# Altium PCB Team29TH.PcbDoc
Units mm, origin at the board's own origin, x right, y up, seen from the top; angles counter-clockwise.
Board outline 82.04 x 84.58 mm, 2 copper layers (Top Layer, Bottom Layer); 59 components, 42 nets, 209 pads, 0 vias.
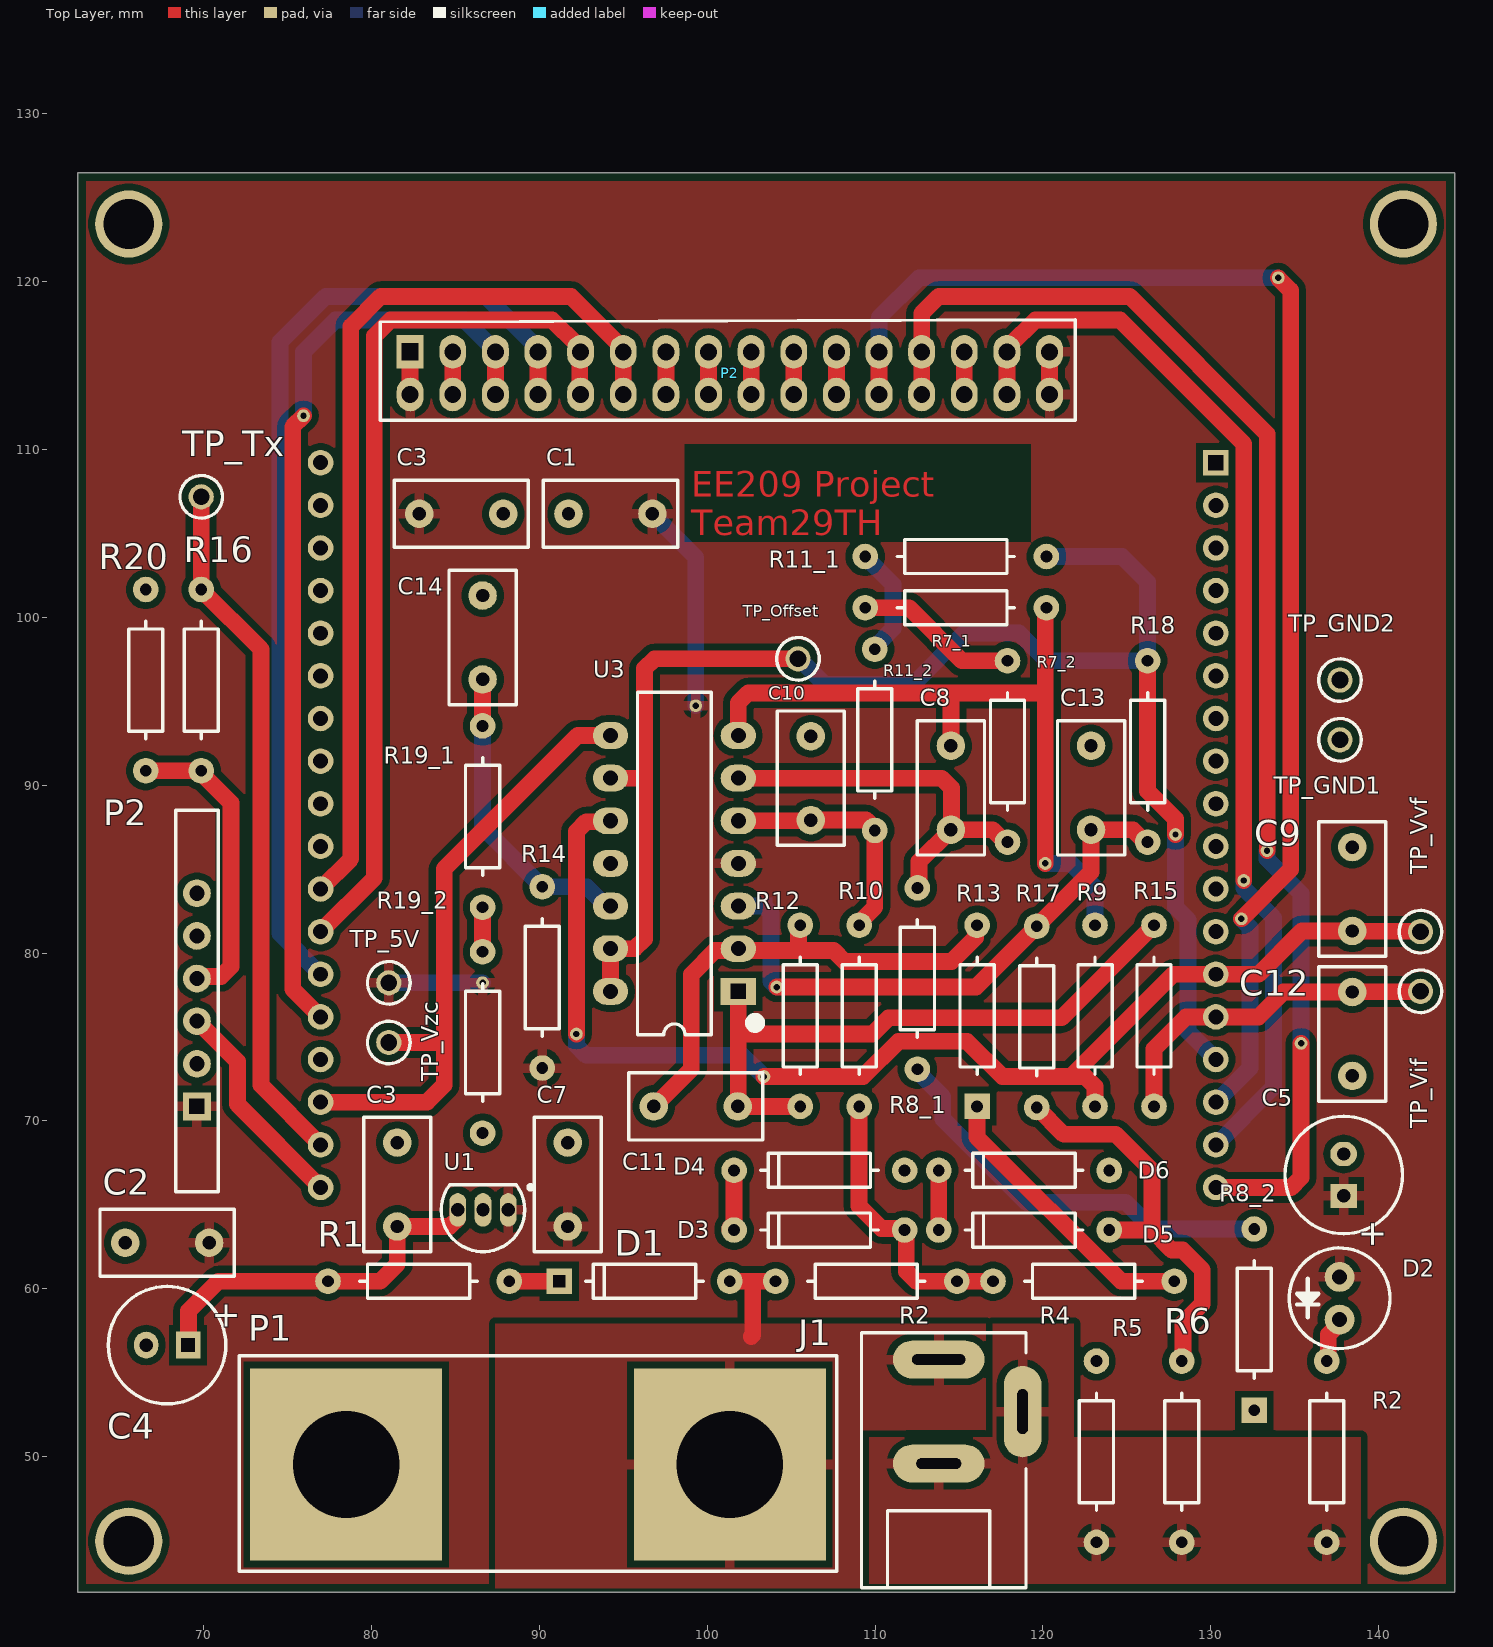
[diagram p0: Top Layer view]
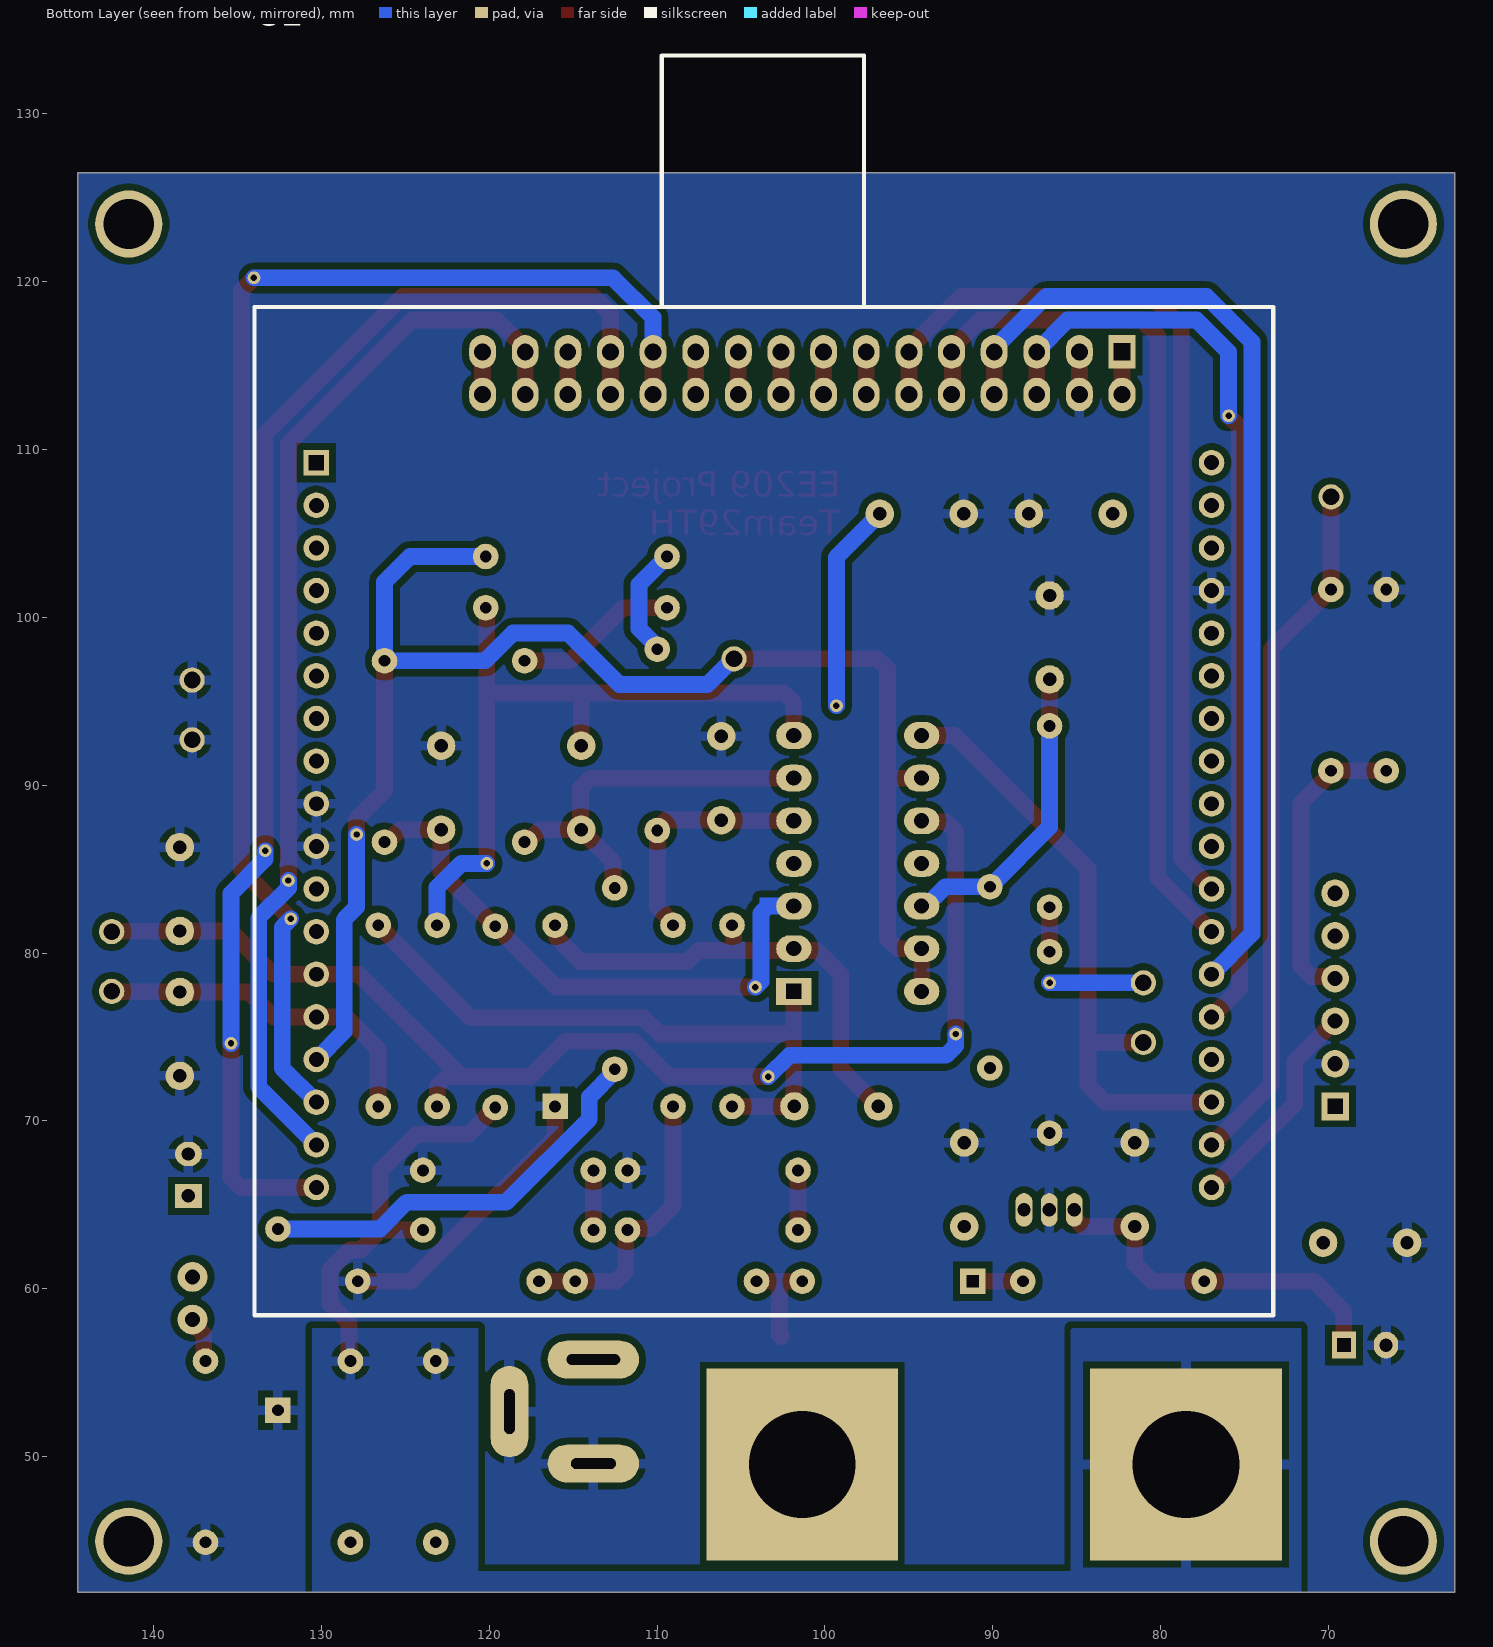
[diagram p1: Bottom Layer view, seen from below]

## Layer stack, top to bottom
Top Solder: solder mask 0.0102, Solder Resist, Dk 3.5
Top Layer: signal copper 0.0356
Dielectric 1: dielectric 0.32, FR-4, Dk 4.8
Bottom Layer: signal copper 0.0356
Bottom Solder: solder mask 0.0102, Solder Resist, Dk 3.5

## Board outline
62.484,41.91 144.526,41.91 144.526,126.492 62.484,126.492

## Design rules (kind name [scope] priority, off if disabled: settings)
BoardOutlineClearance [All] p1: gap=0.5 ignorepadtopadclearanceinfootprint=FALSE
Clearance [All] p1: gap=0.4 ignorepadtopadclearanceinfootprint=FALSE
Height [All] p1: minheight=0 maxheight=50 prefheight=12.7
HoleSize [All] p1: absolutevalues=TRUE maxlimit=6 minlimit=0.5 maxpercent=80.000 minpercent=20.000
MinimumAnnularRing [All] p1: minimumring=0.076
MinimumSolderMaskSliver [All] p1: minsoldermaskwidth=0.1
PlaneConnect [All] p1: planeconnectstyle=Relief reliefexpansion=0.6 reliefentries=4 reliefconductorwidth=0.6 reliefairgap=0.4
PolygonConnect PolygonConnect_1 [All] p1: connectstyle=Relief reliefconductorwidth=0.6 reliefentries=4 polygonreliefangle="90 Angle" airgapwidth=0.4
RoutingCorners [All] p1: cornerstyle=Round minsetback=2.54 maxsetback=2.54
RoutingVias [All] p1: holewidth=0.6 width=1 viastyle="Through Hole" minholewidth=0.5 minwidth=0.8 maxholewidth=1 maxwidth=2
SilkToSilkClearance [All] p1: silktosilkclearance=0.1
SilkToSolderMaskClearance [IsPad] p1: minsilkscreentomaskgap=0.1 clearancetoexposedcopper=TRUE
SolderMaskExpansion [All] p1: expansion=0.102 istentingtop=FALSE
Width [All] p1: maxlimit=10 minlimit=0.4 preferedwidth=0.6
23 further rules are at their usual default settings.

## Classes and differential pairs
component class EE209_Schematic: C1 C2 C5 C6 C7 C8 C9 C10 C11 C12 C13 D1 D2 D3 D4 D5 D6 J1 P1 P3 R1 R3 R4 R5 R6 R7 R7_2 R8 R9 R10 R11 R11_1 R12 R13 R14 R15 R16_2 R17 R18 R19 R20 TP_5V TP_GND2 TP_Offset TP_Tx TP_Vif TP_Vvf TP_Vzc U1 U2 U3

## Components (designator, comment, footprint, x,y, rotation, side; value= is the part's Value field where it differs from the comment)
C1 "*" CCAP-5P0 94.234,106.172 r180 top (schematic designator C7)
C2 "*" CCAP-5P0 67.818,62.738 r180 top (schematic designator C6)
C3 "*" CCAP-5P0 85.344,106.172 r0 top (schematic designator C5)
C3 "*" CCAP-5P0 81.534,66.214 r90 top
C4 "*" "CAP-RAD-2.5mm Pitch"#1 67.818,56.642 r180 top (schematic designator C1)
C5 "*" "CAP-RAD-2.5mm Pitch"#2 137.922,66.782 r90 top (schematic designator C2)
C7 "*" CCAP-5P0 91.694,66.214 r90 top (schematic designator C4)
C8 "*" CCAP-5P0 114.519,89.85 r270 top
C9 "*" CCAP-5P0 138.43,83.82 r90 top
C10 "*" CCAP-5P0 106.172,90.424 r90 top
C11 "*" CCAP-5P0 99.314,70.866 r180 top
C12 "*" CCAP-5P0 138.43,75.184 r270 top
C13 "*" CCAP-5P0 122.867,89.85 r90 top (schematic designator C14)
C14 "*" CCAP-5P0 86.614,98.806 r90 top (schematic designator C13)
D1 "1N4148" AXIAL-DIODE-0.4 96.266,60.452 r180 top
D2 "Green" LED 137.678,59.436 r270 top
D3 "BZX79-CXVX" AXIAL-Zener-0.4 106.68,63.5 r180 top
D4 "BZX79-CXVX" AXIAL-Zener-0.4 106.68,67.056 r180 top
D5 "BZX79-CXVX" AXIAL-Zener-0.4 118.872,63.5 r180 top
D6 "BZX79-CXVX" AXIAL-Zener-0.4 118.872,67.056 r180 top
J1 "DC barrel jack" AC-Socket 113.792,49.784 r90 top value=socket
P1 "Dual Banana Plugs" "Dual Banana Plug" 89.916,49.53 r180 top
P2 "Display" Display 100.076,114.554 r180 top
P2 "BLE Module Header" HM10_HDR1X6 69.596,70.866 r90 top (schematic designator P3)
R1 "33" AXIAL-0.4#1 82.804,60.452 r180 top
R2 "*" AXIAL-0.4#1 136.906,50.292 r90 top (schematic designator R3)
R2 "82k" AXIAL-0.4#1 109.474,60.452 r180 top
R4 "3k9" AXIAL-0.4#1 122.428,60.452 r180 top
R5 "1" AXIAL-0.4#1 123.19,50.292 r90 top
R6 "1" AXIAL-0.4#1 128.27,50.292 r90 top
R7_1 "*" AXIAL-0.4#1 114.808,100.584 r180 top (schematic designator R8_2)
R7_2 "*" AXIAL-0.4#1 117.891,92.014 r90 top (schematic designator R7)
R8_1 "*" AXIAL-0.4#1 112.522,78.486 r90 top (schematic designator R8)
R8_2 "*" AXIAL-0.4#2 132.588,58.166 r90 top (schematic designator R7_2)
R9 "*" AXIAL-0.4#1 123.105,76.266 r270 top
R10 "*" AXIAL-0.4#1 109.05,76.266 r90 top
R11_1 "*" AXIAL-0.4#1 114.808,103.632 r180 top
R11_2 "*" AXIAL-0.4#1 109.982,92.71 r270 top (schematic designator R11)
R12 "*" AXIAL-0.4#1 105.536,76.266 r270 top
R13 "*" AXIAL-0.4#2 116.078,76.266 r90 top
R14 "*" AXIAL-0.4#1 90.17,78.552 r270 top
R15 "*" AXIAL-0.4#1 126.618,76.266 r270 top
R16 "*" AXIAL-0.4#1 69.85,96.266 r270 top (schematic designator R19)
R17 "*" AXIAL-0.4#1 119.634,76.2 r90 top
R18 "*" AXIAL-0.4#1 126.238,92.014 r270 top
R19_1 "*" AXIAL-0.4#3 86.614,88.138 r90 top (schematic designator R16)
R19_2 "*" AXIAL-0.4#3 86.614,74.676 r90 top (schematic designator R16_2)
R20 "*" AXIAL-0.4#1 66.548,96.266 r270 top
TP_5V "5003" TP_TH 81.026,78.232 r90 top
TP_GND1 "5003" TP_TH 137.7,92.71 r90 top (schematic designator TP_GND2)
TP_GND2 "5003" TP_TH 137.7,96.266 r90 top (schematic designator TP_GND1)
TP_Offset "5003" TP_TH 105.41,97.536 r90 top
TP_Tx "5003" TP_TH 69.85,107.188 r90 top
TP_Vif "5003" TP_TH 142.494,77.724 r90 top
TP_Vvf "5003" TP_TH 142.494,81.28 r90 top
TP_Vzc "5003" TP_TH 81.026,74.676 r90 top
U1 "L78L05ACZ" TO-92 86.638,64.698 r90 top
U2 "ATmega328PB Xplained Mini Header" "ATmeg328P Xplained" 103.632,87.63 r180 bottom
U3 "LM324" DIP-14 98.044,85.344 r180 top

## Footprints (in the part's own frame and the unit in brackets; to place one, negate y for a bottom-side part, rotate by r counter-clockwise, add the part's x,y. Pads: shape width x height; smd on the part's side, far side on the other; paste and mask are expansions set on the pad)
AC-Socket [mm]
  oval 2.25x5.45 hole 0.635 slot 3.175 at 90 deg: 1(6,0)
  oval 5.45x2.25 hole 0.635 slot 2.667 at 0 deg: 2(2.9,-5)
  oval 2.25x5.45 hole 0.635 slot 2.667 at 90 deg: 3(-0.2,0)
  silkscreen extent -7.6,-5.2 7.6,4.6, body extent -6.7,-5 6,4.2, height 10.5
"ATmeg328P Xplained" [mil]
  rect 60x60 hole 35 square: 1(-1050,850)
  round 60 hole 35: 2(-1050,750) 3(-1050,650) 4(-1050,550) 5(-1050,450) 6(-1050,350) 7(-1050,250) 8(-1050,150) 9(-1050,50) 10(-1050,-50) 11(-1050,-150) 12(-1050,-250) 13(-1050,-350) 14(-1050,-450) 15(-1050,-550) 16(-1050,-650) 17(-1050,-750) 18(-1050,-850) 19(1050,-850) 20(1050,-750) 21(1050,-650) 22(1050,-550) 23(1050,-450) 24(1050,-350) 25(1050,-250) 26(1050,-150) 27(1050,-50) 28(1050,50) 29(1050,150) 30(1050,250) 31(1050,350) 32(1050,450) 33(1050,550) 34(1050,650) 35(1050,750) 36(1050,850)
  silkscreen extent -1195,-1150 1195,1805, body extent -1201,-1150 1161,1845, height 452
AXIAL-0.4#1 [mm]
  round 1.524 hole 0.7: 1(-5.4,0) 2(5.4,0)
  silkscreen extent -3.5,-1.02 3.5,1.02, body extent -5.7,-1.3 5.7,1.3, height 2.7
AXIAL-0.4#2 [mm]
  rect 1.524x1.524 hole 0.7: 1(-5.4,0)
  round 1.524 hole 0.7: 2(5.4,0)
  silkscreen extent -3.5,-1.02 3.5,1.02, body extent -5.7,-1.3 5.7,1.3, height 2.7
AXIAL-0.4#3 [mm]
  round 1.524 hole 0.7: 2(-5.4,0) 2(5.4,0)
  silkscreen extent -3.5,-1.02 3.5,1.02, body extent -5.7,-1.3 5.7,1.3, height 2.7
AXIAL-DIODE-0.4 [mil]
  round 60 hole 27.56: 1(-200,0)
  rect 60x60 hole 27.56 square: 2(200,0)
  silkscreen extent -138,-40 138,40, body extent -209,-34 209,34, height 73
AXIAL-Zener-0.4 [mil]
  round 60 hole 27.56: 1(-200,0) 2(200,0)
  silkscreen extent -138,-40 138,40, body extent -211,-52 211,52, height 92
"CAP-RAD-2.5mm Pitch"#1 [mm] "Cap 6.3 X 11.2"
  rect 1.45x1.6 hole 0.8 square: 1(-1.25,0)
  oval 1.45x1.6 hole 0.8: 2(1.25,0)
  silkscreen extent -3.5,-3.5 3.5,3.5, body extent -3.15,-3.15 3.15,3.15, height 11.5
"CAP-RAD-2.5mm Pitch"#2 [mm] "Cap 6.3 X 11.2"
  rect 1.45x1.6 hole 0.8: 1(-1.25,0)
  oval 1.45x1.6 hole 0.8: 2(1.25,0)
  silkscreen extent -3.5,-3.5 3.5,3.5, body extent -3.15,-3.15 3.15,3.15, height 11.5
CCAP-5P0 [mm]
  round 1.7 hole 0.8: 1(-2.5,0) 2(2.5,0)
  silkscreen extent -4,-2 4,2, body extent -3.25,-1.5 3.25,1.5, height 6.5
DIP-14 [mm] "DIP; 14 Leads; Row Spacing 7.62 mm; Pitch 2.54 mm"
  rect 2.1x1.6 hole 0.9 square: 1(-3.81,7.62)
  oval 2.1x1.6 hole 0.9: 2(-3.81,5.08) 3(-3.81,2.54) 4(-3.81,0) 5(-3.81,-2.54) 6(-3.81,-5.08) 7(-3.81,-7.62) 8(3.81,-7.62) 9(3.81,-5.08) 10(3.81,-2.54) 11(3.81,0) 12(3.81,2.54) 13(3.81,5.08) 14(3.81,7.62)
  silkscreen extent -5.1,-10.2 2.2,10.2, body extent -5.07,-10.2 5.09,10.12, height 9.47
Display [mm]
  rect 1.6x2 hole 1 square: 1(17.78,-1.27)
  oval 1.6x2 hole 1: 2(17.78,1.27) 3(15.24,-1.27) 4(15.24,1.27) 5(12.7,-1.27) 6(12.7,1.27) 7(10.16,-1.27) 8(10.16,1.27) 9(7.62,-1.27) 10(7.62,1.27) 11(5.08,-1.27) 12(5.08,1.27) 13(2.54,-1.27) 14(2.54,1.27) 15(0,-1.27) 16(0,1.27) 17(-2.54,-1.27) 18(-2.54,1.27) 19(-5.08,-1.27) 20(-5.08,1.27) 21(-7.62,-1.27) 22(-7.62,1.27) 23(-10.16,-1.27) 24(-10.16,1.27) 25(-12.7,-1.27) 26(-12.7,1.27) 27(-15.24,-1.27) 28(-15.24,1.27) 29(-17.78,-1.27) 30(-17.78,1.27) 31(-20.32,-1.27) 32(-20.32,1.27)
  silkscreen extent -21.84,-3.18 19.56,2.79, body extent -32.6,-50 26.4,4, height 13
"Dual Banana Plug" [mm] "Connector; 2 Position"
  rect 11.43x11.43 hole 6.35: 1(-11.43,0) 2(11.43,0)
  silkscreen extent -17.8,-6.48 17.8,6.35, body extent -17.38,-5.99 17.43,5.99, height 5.5
HM10_HDR1X6 [mil] "Connector; Header; 6 Position"
  round 65 hole 35.43: 2(100,0) 3(200,0) 4(300,0) 5(400,0) 6(500,0)
  rect 65x65 hole 35.43 square: 3(0,0)
  silkscreen extent -200,-50 695,50, body extent -142,-39 571,228, height 1843
LED [mil]
  round 70 hole 35.43: 1(-50,0) 2(50,0)
  silkscreen extent -118,-118 118,118, body extent -98,-98 98,98, height 413
TO-92 [mm] "TO, Flat Index; 3 In-Line, Axial Leads; Body Dia. 4.5mm; Leads 0.51 x 0.48 mm (max)"
  oval 2x1 hole 0.8: 1(0,-1.5) 2(0,0) 3(0,1.5)
  silkscreen extent -2.48,-2.96 1.5,2.48, body extent -2.4,-2.4 1.53,2.4, height 6.73
TP_TH [mm] "Test Point, Through Hole, Dia 2.54mm"
  round 1.5 hole 1: 1(0,0)
  silkscreen extent -1.27,-1.27 1.27,1.27, body extent -1.27,-1.27 1.27,1.27, height 4.57

## Part data
C1 C2 C3 C3 C7 C8 C9 C10 C11 C12 C13 C14: library part CerCap_TH_5P0, "TH ceramic capacitor with 5mm pitch"
C4 C5: library part ElecCap_TH_2P0, "Electrolytic capacitor with radial package, 2mm pitch and 5.2mm diameter", LatestRevisionDate=17-Jul-2002, LatestRevisionNote="Re-released for DXP Platform.", PackageDescription="Polarized Capacitor; 2 Leads", PackageReference=POLAR0.8, Published=8-Jun-2000, Publisher="Altium Limited"
D1: library part 1N4148_TH_4AX0, "1N4148 100V 200mA axial diode", Capacitance @ Vr, F="4pF @ 0V, 1MHz", Current - Average Rectified (Io)=200mA, Manufacturer="ON Semiconductor", Manufacturer Part Number=1N4148TR, Operating Temperature - Junction="-65°C ~ 175°C", Package / Case="DO-204AH, DO-35, Axial", Supplier Device Package=DO-35, Supplier Part Number 1=1N4148FSCT-ND, Base Part Number=1N4148, Category="Discrete Semiconductor Products", ComponentLink1Description=https://www.fairchildsemi.com/datasheets/1N/1N914.pdf, ComponentLink1URL=https://www.fairchildsemi.com/datasheets/1N/1N914.pdf, Diode Type=Standard, Mounting Type="Through Hole", Part Status=Active, Pricing 1="1=0.16, 10=0.109, 100=0.0592, 500=0.03648, 1000=0.02488 (NZD)", RoHS="RoHS Compliant", Speed="Small Signal =< 200mA (Io), Any Speed", Stock 1=1658049, Supplier 1=Digi-Key
D2: library part LED_TH_2P54, "Typical throughole GaAs LED with 2.54mm pitch", Manufacturer="Generic Components", Class I=Optoelectronic, Class II=LED, Published=8-Jun-2000, Publisher="Altium Limited", Revision="July-2002: Re-released for DXP Platform."
D3 D4 D5 D6: library part Zener_TH_4AX0, "Axial zener diode BZX79 series", Manufacturer="Nexperia USA Inc.", Manufacturer Part Number=BZX79-C4V7,143, Operating Temperature="-65°C ~ 200°C", Package / Case="DO-204AH, DO-35, Axial", Supplier Device Package=DO-35, Supplier Part Number 1=1727-1864-1-ND, Tolerance=±5%, Category="Discrete Semiconductor Products", ComponentLink1Description=https://assets.nexperia.com/documents/data-sheet/BZX79.pdf, ComponentLink1URL=https://assets.nexperia.com/documents/data-sheet/BZX79.pdf, Mounting Type="Through Hole", Packaging="Cut Tape (CT)", Part Status=Active, Pricing 1="1=0.23, 10=0.206, 100=0.1123, 500=0.06912, 1000=0.04714 (NZD)", RoHS="RoHS Compliant", Stock 1=8933, Supplier 1=Digi-Key
J1: library part AC_Input, "DC barrel jack connection to AC source"
P1: library part AC_Output, "Dual banana plugs connection to the AC load", LatestRevisionDate=17-Jul-2002, LatestRevisionNote="Re-released for DXP Platform.", Publisher="Altium Limited"
P2: "16-Pin Header Connecting Display"
P2: library part BLEModule_TH, "2.54mm pitch 6-pin header for BLE module", LatestRevisionDate=17-Jul-2002, LatestRevisionNote="Re-released for DXP Platform.", Publisher="Altium Limited"
R1 R2 R2 R4 R5 R6 R7_1 R7_2 R8_1 R8_2 R9 R10 R11_1 R11_2 R12 R13 R14 R15 R16 R17 R18 R19_1 R19_2 R20: library part Res_TH_0AX4, "Through hole resistor", ComponentLink1Description=http://www.royalohm.com/pdf/product2017/PrecisionMetalMF.pdf, LatestRevisionDate=17-Jul-2002, LatestRevisionNote="Re-released for DXP Platform.", PackageReference=AXIAL-0.4, Published=8-Jun-2000, Publisher="Altium Limited"
TP_5V TP_GND1 TP_GND2 TP_Offset TP_Tx TP_Vif TP_Vvf TP_Vzc: library part TestPoint, "Test Point, Orange, 1-Pin THD, RoHS", Forward Current="3 A", Forward Voltage="1.08 V", Max Operating Temperature="150 degC", Max Surge Current="80 A", Min Operating Temperature="-65 degC", Package Quantity=500, Peak Reverse Current="600 uA", ComponentLink1Description="Manufacturer URL", ComponentLink1URL=http://www.keyelco.com/, ComponentLink2Description=Datasheet, ComponentLink2URL=http://keyelco.com/userAssets/file/M65p56.pdf, DatasheetVersion=Jun-15, Diameter="5.3 mm", Height="0.25 inch", Length="9.5 mm", Mount="Through Hole", PackageDescription="1-Pin Through Hole Device, Dia 2.54 mm", PackageReference=5003, Packaging=Bulk, Pins=2, Radiation Hardening=No, REACH SVHC="No SVHC", RoHSCompliant=true, Weight="0.01 lb", Width="0.25 inch"
U1: library part L78L05_TH_TO92, "Voltage Regulator 5V", Base Part Number=LM78L05, Current - Output=100mA, Manufacturer="ON Semiconductor", Manufacturer Part Number=LM78L05ACZX, Operating Temperature="-40°C ~ 125°C", Package / Case="TO-226-3, TO-92-3 (TO-226AA) (Formed Leads)", Supplier Device Package=TO-92-3, Supplier Part Number 1=LM78L05ACZXCT-ND, Voltage - Input (Max)=30V, Voltage - Output (Max)=-, Voltage - Output (Min/Fixed)=5V, Category="Integrated Circuits (ICs)", ComponentLink1Description=https://www.fairchildsemi.com/datasheets/MC/MC78L05A.pdf, ComponentLink1URL=https://www.fairchildsemi.com/datasheets/MC/MC78L05A.pdf, Control Features=-, Mounting Type="Through Hole", Output Configuration=Positive, Output Type=Fixed, Packaging="Cut Tape (CT)", Part Status=Active, Pricing 1="1=0.69, 10=0.517, 100=0.3226, 500=0.2207, 1000=0.16976 (NZD)", Protection Features="Over Temperature, Short Circuit", PSRR="80dB (120Hz)", RoHS="RoHS Compliant", Stock 1=7782, Supplier 1=Digi-Key, Voltage Dropout (Max)=-
U2: library part ATmega328PBXplained_TH, "Dual 18-pin headers connecting to ATmega328PB Xplained Mini", Manufacturer="Microchip Technology", Manufacturer Part Number=ATMEGA328PB-XMINI, Operating System=-, Supplier Part Number 1=ATMEGA328PB-XMINI-ND, Board Type="Evaluation Platform", Category="Development Boards, Kits, Programmers", ComponentLink1Description=http://www.microchip.com/mymicrochip/filehandler.aspx?ddocname=en589665, ComponentLink1URL=http://www.microchip.com/mymicrochip/filehandler.aspx?ddocname=en589665, Contents=Board(s), Core Processor=AVR, For Use With/Related Products=ATmega328P, Mounting Type=Fixed, Part Status=Active, Platform="ATmega328P Xplained Mini", Pricing 1="1=15.11 (NZD)", RoHS="RoHS Compliant", Stock 1=454, Supplier 1=Digi-Key, Type="MCU 8-Bit"
U3: library part LM324N_TH_DIP16, "IC OPAMP GP 14DIP", Current - Supply=1mA, Manufacturer="ON Semiconductor", Manufacturer Part Number=LM324N, Operating Temperature="0°C ~ 70°C", Package / Case="14-DIP (0.300\", 7.62mm)", Supplier Device Package=14-DIP, Supplier Part Number 1=LM324NFS-ND, Voltage - Supply, Single/Dual (±)="3 V ~ 32 V, ±1.5 V ~ 16 V", Amplifier Type="General Purpose", Base Part Number=LM324, Category="Integrated Circuits (ICs)", ComponentLink1Description=https://www.fairchildsemi.com/datasheets/LM/LM2902.pdf, ComponentLink1URL=https://www.fairchildsemi.com/datasheets/LM/LM2902.pdf, Mounting Type="Through Hole", Output Type=-, Packaging=Tube, Part Status=Active, Pricing 1="1=0.9, 10=0.775, 100=0.5789, 500=0.45482, 1000=0.35145 (NZD)", RoHS="RoHS Compliant", Slew Rate=-, Stock 1=2900, Supplier 1=Digi-Key

## Free pads (board coordinates)
  round 4 hole 3: 2(141.478,123.444) 3(65.532,44.958) 4(65.532,123.444) 4(141.478,44.958)
  round 0.762 hole 0.381: 3(75.946,112.014) 3(86.614,78.232) 3(92.202,75.184) 3(99.314,94.742) 3(103.378,72.644) 3(104.14,77.978) 3(120.142,85.344) 3(127.9,87.07) 3(131.826,82.042) 3(131.964,84.328) 3(133.35,86.106) 3(134.018,120.236) 3(135.382,74.623)

## Nets (pads, with @x,y where several pads share a name; then routed paths per layer and width w, separated by ;. In a path a pad name is that pad's centre, name@x,y a point inside that pad or via, vN(x,y) a via of type N, cw(c..) or ccw(c..) an arc to the next point about the centre after c; other vN are vias at no path point)
5V: C1.1 C2.1 C3.1@82.844,106.172 C5.1 C7.1 D2.1 P2.1 P2.2@82.296,113.284 P2.3@69.596,70.866 P2.31 P2.32 pad.3@86.614,78.232 pad.3@99.314,94.742 R14.2 TP_5V.1 U1.1 U3.4 | length 23.2
  Top Layer w1: P2.2@82.296,113.284 82.294,113.286 82.294,115.822 P2.1 ; P2.32 P2.31
  Bottom Layer w1: TP_5V.1 pad.3@86.614,78.232 ; C1.1 99.314,103.592 pad.3@99.314,94.742
DS1: P2.5@87.376,115.824 P2.6@87.376,113.284 pad.3@75.946,112.014 U2.23 | length 56.2
  Top Layer w1: pad.3@75.946,112.014 75.3,111.368 75.3,77.862 U2.23 ; P2.6@87.376,113.284 P2.5@87.376,115.824
  Bottom Layer w1: pad.3@75.946,112.014 75.946,115.824 77.846,117.724 85.54,117.724 87.376,115.888 P2.5@87.376,115.824
DS2: P2.7 P2.8 U2.24 | length 59.2
  Top Layer w1: P2.8 P2.7
  Bottom Layer w1: U2.24 74.546,81.156 74.546,116.404 77.266,119.124 86.816,119.124 89.72,116.22 89.72,116.02 P2.7
DS3: P2.9 P2.10 U2.25 | length 52.8
  Top Layer w1: U2.25 80.164,84.482 80.164,116.764 81.123,117.724 90.756,117.724 92.26,116.22 92.26,116.02 P2.9 ; P2.10@92.399,113.341 P2.9@92.399,115.767
DS4: P2.11 P2.12 U2.26 | length 55.4
  Top Layer w1: U2.26 78.764,85.622 78.764,117.344 80.543,119.124 91.896,119.124 94.834,116.186 94.996,116.186 P2.12
GND: C1.2 C2.2 C3.2 C4.2 C5.2 C7.2 C9.2 C10.2 C12.2 C13.2 C14.2 D4.1 D6.1 J1.2 J1.3 P2.2@69.596,73.406 P2.3@84.836,115.824 P2.4@84.836,113.284 R2.1@136.906,44.892 R4.1 R5.1 R6.1 R8_2.1 R13.1 R19_2.2@86.614,69.276 R20.1 TP_GND1.1 TP_GND2.1 U1.2 U2.9 U2.10 U2.33 | length 20.1
  Top Layer w0.6: J1.2 J1.2@118.898,52.578
  Top Layer w1: C3.2@81.414,68.834 C3.2@81.534,68.714 ; P2.4@84.836,113.284 P2.3@84.836,115.824 ; R13.1 116.078,69.024 124.65,60.452 R4.1 ; U2.10 U2.10@130.322,86.34 ; TP_GND1.1@137.684,92.694 TP_GND1.1 ; C9.2@138.41,86.34 C9.2 C9.2@138.446,86.336
Imeas: C12.1 R15.2 TP_Vif.1 U2.14 | length 20.7
  Top Layer w1: R15.2 126.618,74.294 128.524,76.2 132.842,76.2 134.326,77.684 C12.1 ; C12.1@138.45,77.704 142.474,77.704 TP_Vif.1
Isensp: D5.1 P1.2 R5.2 R6.2 R17.1 | length 24.4
  Top Layer w1: R17.1 119.641,70.8 121.237,69.204 124.344,69.204 126.492,67.056 126.492,63.5 ; D5.1 126.492,63.5 ; R6.2 128.347,55.769 128.347,57.954 129.49,59.097 129.49,61.14 128.31,62.32 127.672,62.32 126.492,63.5
LED1: P2.13 P2.14 | length 2.5
  Top Layer w1: P2.14 P2.13
LED2: P2.15 P2.16 | length 2.5
  Top Layer w1: P2.16 P2.15
LED3: P2.17 P2.18 | length 2.5
  Top Layer w1: P2.18 P2.17
LED4: P2.19 P2.20 | length 2.5
  Top Layer w1: P2.20 P2.19
NetC8_1: C8.1 pad.3@120.142,85.344 R7_1.1 R9.1 U3.7 | length 44.8
  Top Layer w1: U3.7 101.854,94.918 102.44,95.504 114.3,95.504 ; C8.1 114.519,95.285 114.3,95.504 ; pad.3@120.142,85.344 120.142,95.504 ; R7_1.1 120.142,100.518 120.142,95.504 ; 114.3,95.504 120.142,95.504
  Bottom Layer w1: pad.3@120.142,85.344 121.666,85.344 123.105,83.905 R9.1
NetC8_2: C8.2 R7_2.1 R8_1.2 U3.6 | length 23.4
  Top Layer w1: U3.6 113.968,90.424 114.554,89.838 114.554,87.385 C8.2 ; R8_1.2 112.622,83.986 112.622,85.453 C8.2 ; R7_2.1 117.749,86.614 117.013,87.35 C8.2
NetC8_3: R8_1.1 R8_2.2 | length 24.9
  Bottom Layer w1: R8_1.1 112.522,72.944 114.036,71.43 114.036,70.111 118.985,65.162 124.918,65.162 126.514,63.566 R8_2.2
NetC8_4: R7_1.2 R7_2.2 | length 9.8
  Top Layer w1: R7_1.2 112.014,100.584 115.184,97.414 R7_2.2
NetC10_1: C10.1 R10.2 R11_2.2 U3.5 | length 14.7
  Top Layer w1: U3.5 105.769,87.884 105.983,87.67 106.172,87.67 106.426,87.924 109.48,87.924 109.982,87.422 109.982,82.74 109.05,81.808 R10.2
NetC11_1: C11.1 R12.2 R15.1 U3.1 | length 38
  Top Layer w1: C11.1 R12.2 ; C11.1@101.854,70.906 101.854,75.178 ; U3.1 101.854,75.178 ; R15.1 121.1,76.148 110.807,76.148 109.837,75.178 101.854,75.178
NetC11_2: C11.2 R12.1 R13.2 U3.2 | length 29.6
  Top Layer w1: C11.2 99.052,73.104 99.052,78.732 100.469,80.149 101.739,80.149 U3.2 101.969,80.149 105.41,80.149 ; R12.1 105.436,81.566 105.436,80.175 105.41,80.149 ; R13.2 115.978,81.566 115.978,80.926 114.554,79.502 108.185,79.502 107.537,80.149 105.41,80.149
NetC13_1: C14.1 R14.1 R19_1.2@86.614,93.538 U3.12 | length 18.5
  Top Layer w1: R19_1.2@86.614,93.538 C14.1 ; R14.1 R14.1@90.312,83.952
  Bottom Layer w1: R19_1.2@86.614,93.538 86.614,87.508 R14.1 92.832,83.952 93.786,82.998 94.04,82.998 U3.12
NetC13_2: R19_1.2@86.614,82.738 R19_2.2@86.614,80.076 | length 2.7
  Top Layer w1: R19_2.2@86.614,80.076 R19_1.2@86.614,82.738
NetC14_1: C13.1 pad.3@104.14,77.978 R17.2 R18.2 U3.3 | length 33.2
  Top Layer w1: pad.3@104.14,77.978 116.012,77.978 122.867,84.833 C13.1 125.36,87.35 126.096,86.614 R18.2
  Bottom Layer w1: 103.124,82.804 103.378,82.804 103.804,82.378 103.804,79.56 103.804,78.314 pad.3@104.14,77.978
NetD1_2: D1.2 R1.1 | length 3
  Top Layer w1: R1.1 D1.2
NetD2_2: D2.2 R2.2@136.906,55.692 | length 2.8
  Top Layer w1: R2.2@136.906,55.692 137.006,55.792 137.006,57.284 137.678,57.955 D2.2
NetD3_2: D3.2 D4.2 | length 3.7
  Top Layer w1: D3.2@101.346,63.5 101.346,63.642 101.6,63.896 D4.2
NetD5_2: D5.2 D6.2 | length 3.6
  Top Layer w1: D5.2 D6.2
NetP3_4: P2.4@69.596,78.486 R16.2 R20.2 | length 18
  Top Layer w1: R20.2 R16.2 69.85,90.724 71.625,88.949 71.625,79.196 71.039,78.611 69.721,78.611 P2.4@69.596,78.486
OE: P2.27 P2.28 | length 2.5
  Top Layer w1: P2.28 P2.27
Offset: pad.3@127.9,87.07 R11_1.1 R18.1 TP_Offset.1 U2.15 U3.9 U3.13 U3.14 | length 92.5
  Top Layer w1: U3.14 U3.13 95.68,80.264 96.266,80.85 96.266,90.424 ; U3.9 96.266,90.424 ; TP_Offset.1 96.852,97.536 96.266,96.95 96.266,90.424 ; R18.1 126.238,89.662 127.9,88 pad.3@127.9,87.07
  Bottom Layer w1: TP_Offset.1 105.484,97.536 107.008,96.012 112.246,96.012 115.31,99.076 118.579,99.076 120.241,97.414 R18.1 126.238,102.108 124.714,103.632 R11_1.1 ; pad.3@127.9,87.07 127.9,82.735 128.64,81.995 128.64,75.322 U2.15
Offset_2: R11_1.2 R11_2.1 | length 6.7
  Bottom Layer w1: R11_1.2 111.07,101.97 111.07,99.34 109.982,98.252 R11_2.1
RX: P2.3@69.596,75.946 U2.19 | length 13
  Top Layer w1: P2.3@69.596,75.946 72.006,73.536 72.006,70.996 U2.19
SH_CP: P2.23 P2.24 pad.3@131.826,82.042 pad.3@134.018,120.236 U2.16 | length 79.5
  Top Layer w1: P2.24 P2.23 ; pad.3@131.826,82.042 134.764,84.98 134.764,119.49 pad.3@134.018,120.236
  Bottom Layer w1: 110.236,117.348 110.244,117.356 110.244,117.864 112.616,120.236 pad.3@134.018,120.236 ; U2.16 132.334,73.152 132.334,81.534 pad.3@131.826,82.042
SH_DS: P2.29 P2.30 pad.3@131.964,84.328 U2.17 | length 64.5
  Top Layer w1: P2.30 P2.29 118.052,116.02 118.052,116.22 119.556,117.724 124.595,117.724 131.964,110.355 pad.3@131.964,84.328
  Bottom Layer w1: U2.17 133.734,72.012 133.734,82.114 131.964,83.884 pad.3@131.964,84.328
SH_ST: P2.25 P2.26 pad.3@133.35,86.106 pad.3@135.382,74.623 U2.18 | length 79.7
  Top Layer w1: P2.26 112.776,118.11 113.79,119.124 125.175,119.124 133.364,110.935 pad.3@133.364,86.12 ; U2.18 134.796,66.04 135.382,66.626 pad.3@135.382,74.623
  Bottom Layer w1: pad.3@133.35,86.106 133.35,85.598 135.382,83.566 pad.3@135.382,74.623
SRCLR: P2.21 P2.22 | length 2.5
  Top Layer w1: P2.22 P2.21
TX: R16.1 TP_Tx.1 U2.20 | length 41.6
  Top Layer w1: TP_Tx.1 R16.1 73.406,98.11 73.406,72.136 U2.20
VCC: U3.11
Vin: D1.1 J1.1 P1.1 R2.2@104.074,60.452 | length 6.1
  Top Layer w1: D1.1 102.71,60.452 ; 102.616,57.15 102.71,57.244 102.71,60.452 ; R2.2@104.074,60.452 102.71,60.452
Vmeas: C9.1 pad.3@92.202,75.184 pad.3@103.378,72.644 R9.2 TP_Vvf.1 U2.13 U3.10 | length 74.3
  Top Layer w1: pad.3@92.202,75.184 92.202,87.242 92.788,87.828 94.178,87.828 U3.10 ; pad.3@103.378,72.644 109.283,72.644 111.387,74.748 115.475,74.748 117.579,72.644 121.666,72.644 ; R9.2 123.098,70.873 123.098,72.058 122.512,72.644 121.666,72.644 ; TP_Vvf.1 142.474,81.3 138.45,81.3 C9.1 135.422,81.32 132.842,78.74 127.762,78.74 121.666,72.644
  Bottom Layer w1: pad.3@92.202,75.184 92.202,74.5 92.788,73.914 102.108,73.914 pad.3@103.378,72.644
Vrect: C3.1@81.534,63.714 C4.1 R1.2 U1.3 | length 22.2
  Top Layer w1: C4.1 69.088,56.662 69.088,58.674 70.866,60.452 R1.2 80.518,60.452 81.534,61.468 81.534,63.714 84.654,63.714 85.138,64.198 U1.3
Vsensp: D3.1 R2.1@114.874,60.452 R4.2 R10.1 | length 17.3
  Top Layer w1: R10.1@108.966,70.782 R10.1 109.05,64.94 110.39,63.6 111.66,63.6 111.86,63.4 111.86,61.038 112.446,60.452 R4.2
Vzc: TP_Vzc.1 U2.21 U3.8 | length 37.2
  Top Layer w1: U2.21 83.312,71.12 84.328,72.136 84.328,74.676 ; TP_Vzc.1 84.328,74.676 ; U3.8 92.28,92.964 84.328,85.012 84.328,74.676
pads on no net: P2.5@69.596,81.026 P2.6@69.596,83.566 U2.1 U2.2 U2.3 U2.4 U2.5 U2.6 U2.7 U2.8 U2.11 U2.12 U2.22 U2.27 U2.28 U2.29 U2.30 U2.31 U2.32 U2.34 U2.35 U2.36

## Polygon pours and split planes (outlines as drawn)
5V on Top Layer "5V_L01_P008" (solid, pour order 8): 61.976,127 145.034,127 145.034,41.402 61.976,41.402
GND on Top Layer "GND_L01_P007" (solid, pour order 7): 117.008,57.912 117.008,51.169 109.642,51.169 109.642,42.025 138.938,42.025 138.938,51.169 121.834,51.169 121.834,57.912
Vin on Top Layer "VIN_L01_P006" (solid, pour order 6): 116.586,51.562 116.586,57.912 87.376,57.912 87.376,42.164 109.22,42.164 109.22,51.562
no net on Top Layer "NONET_L01_P001" (solid, pour order 1): 43.942,128.27 43.688,128.27
GND on Bottom Layer "GND_L02_P009" (solid, pour order 9): 61.976,127 145.034,127 145.034,41.402 61.976,41.402
Isensp on Bottom Layer "ISENSP_L02_P005" (solid, pour order 5): 85.344,57.658 71.628,57.658 71.628,41.91 130.556,41.91 130.556,57.658 120.65,57.658 120.65,43.18 85.344,43.18

## Other copper
Top Layer:
  text "EE209 Project / Team29TH" at 99.06,104.902 h1.52
Bottom Layer:
  rectangle net NetC14_1: 102.362,82.296 103.886,83.312
  rectangle net SH_CP: 109.728,116.586 110.744,117.856

## Text inside footprints (layer, text, board x,y; h text height)
C4: Top Overlay "+" at 72.218,59.042 h1.5 r180
C5: Top Overlay "+" at 140.322,62.382 h1.5 r90